# KiCad board final-memory.kicad_pcb (continued)
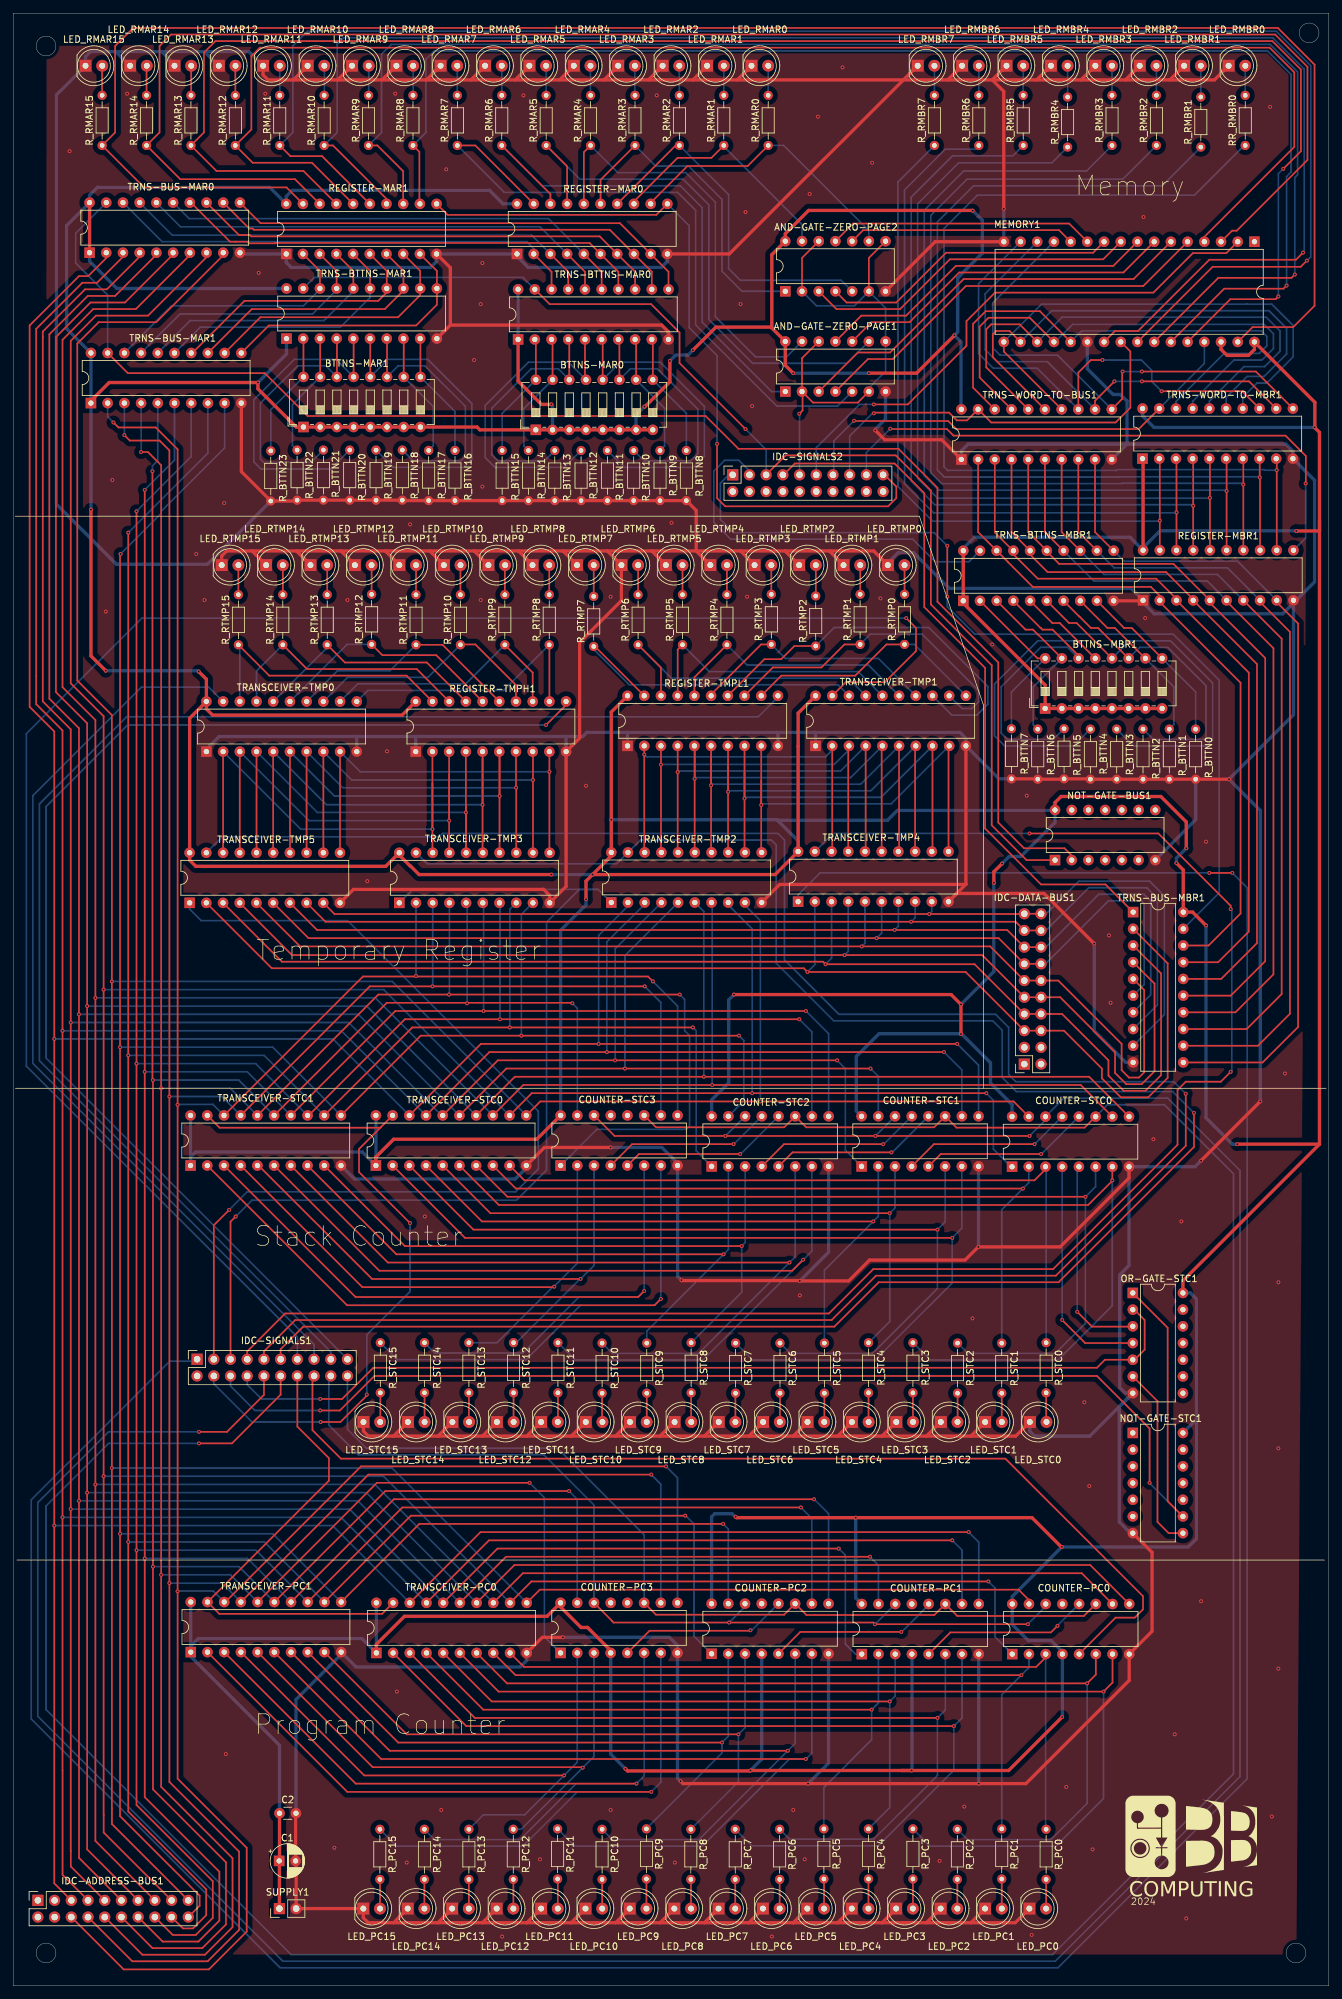
[diagram p0: board, top side]
## Routing (per net, layer and track width the routed paths; a pad name or vN(x,y) marks a point on that pad's centre or on a via; arc(x,y) is an arc through that point) (continued)
RMAR15: length 286.5
  Top w0.25: REGISTER-MAR1.19 41.55,273.5 19.91,273.5 R_RMAR15.1 15.5,281.86 15.5,295 18.25,297.75 192.25,297.75 197.83,292.17 197.83,255.5 194.58,252.25 188.4,252.25 MEMORY1.31
RMBR0: length 152.1
  Top w0.25: TRNS-WORD-TO-MBR1.9 192.08,232.17 v1(192.08,230.5) REGISTER-MBR1.12
  Bottom w0.25: v1(192.08,230.5) 190.23,230.5 190.15,230.57 167.81,230.57 167.69,230.45 142.05,230.45 141.5,231 141.5,267.25 146.55,272.3 179.55,272.3 186.84,279.59 187,279.59 RR_RMBR0.1
RMBR1: length 146
  Top w0.25: REGISTER-MBR1.13 189.54,229.35 v1(189.49,229.4) 189.49,232.22 TRNS-WORD-TO-MBR1.8
  Bottom w0.25: R_RMBR1.1 174.66,273.75 146,273.75 140.5,268.25 140.5,230.5 141.55,229.45 168.11,229.45 168.15,229.5 189.39,229.5 v1(189.49,229.4)
RMBR2: length 140.1
  Top w0.25: TRNS-WORD-TO-MBR1.7 187,232.17 v1(187,228.32) REGISTER-MBR1.14
  Bottom w0.25: R_RMBR2.1 168.66,274.75 145,274.75 139.5,269.25 139.5,230.09 141.13,228.45 168.52,228.45 168.57,228.5 186.82,228.5 v1(187,228.32)
RMBR3: length 133.9
  Top w0.25: REGISTER-MBR1.15 v1(184.46,227.32) 184.46,232.17 TRNS-WORD-TO-MBR1.6
  Bottom w0.25: R_RMBR3.1 163.16,276 144.5,276 138.5,270 138.5,229.67 140.72,227.45 184.33,227.45 v1(184.46,227.32)
RMBR4: length 127.7
  Top w0.25: TRNS-WORD-TO-MBR1.5 181.92,232.17 v1(181.92,226.28) REGISTER-MBR1.16
  Bottom w0.25: v1(181.92,226.28) 181.89,226.25 140.51,226.25 137.5,229.26 137.5,271 143.75,277.25 157.91,277.25 R_RMBR4.1
RMBR5: length 121.9
  Top w0.25: TRNS-WORD-TO-MBR1.4 179.38,232.17 v1(179.38,225.07) REGISTER-MBR1.17
  Bottom w0.25: v1(179.38,225.07) 179.21,225.25 140.09,225.25 136.5,228.84 136.5,272 142.81,278.31 151.97,278.31 R_RMBR5.1
RMBR6: length 115.9
  Top w0.25: REGISTER-MBR1.18 v1(176.84,224.07) 176.84,232.17 TRNS-WORD-TO-MBR1.3
  Bottom w0.25: v1(176.84,224.07) 176.77,224 139.93,224 135.5,228.43 135.5,273.11 141.69,279.31 146.22,279.31 R_RMBR6.1
RMBR7: length 110.1
  Top w0.25: TRNS-WORD-TO-MBR1.2 174.3,232.17 v1(174.3,222.82) REGISTER-MBR1.19
  Bottom w0.25: v1(174.3,222.82) 174.22,222.75 139.76,222.75 134.5,228.01 134.5,274.34 R_RMBR7.1
RTMP0: length 37.6
  Top w0.25: REGISTER-TMPL1.12 116.78,199.25 128,199.25 132.75,204 R_RTMP0.1
  Bottom w0.25: TRANSCEIVER-TMP1.11 137.02,204 R_RTMP0.1
RTMP1: length 50.4
  Top w0.25: R_RTMP1.1 126.38,204 122.88,200.5 115.49,200.5 REGISTER-TMPL1.13
  Bottom w0.25: R_RTMP1.1 130.32,205.57 138.18,205.57 146.75,197 146.75,195.25 145.75,194.25 144.23,194.25 TRANSCEIVER-TMP1.12
RTMP2: length 60.6
  Top w0.25: R_RTMP2.1 118.75,203.75 116.75,201.75 114.19,201.75 REGISTER-TMPL1.14
  Bottom w0.25: R_RTMP2.1 124.82,206.57 139.18,206.57 148.17,197.58 148.17,194.92 146.5,193.25 142.69,193.25 TRANSCEIVER-TMP1.13
RTMP3: length 37.7
  Top w0.25: R_RTMP3.1 113.7,204 106.09,196.39 REGISTER-TMPL1.15
  Bottom w0.25: TRANSCEIVER-TMP1.14 131.53,201.87 117.38,201.87 R_RTMP3.1
RTMP4: length 39.2
  Top w0.25: R_RTMP4.1 103.56,199 REGISTER-TMPL1.16
  Bottom w0.25: R_RTMP4.1 111.57,200.87 130,200.87 TRANSCEIVER-TMP1.15
RTMP5: length 41.6
  Top w0.25: R_RTMP5.1 101.02,203.21 REGISTER-TMPL1.17
  Bottom w0.25: R_RTMP5.1 105.82,199.87 128.46,199.87 TRANSCEIVER-TMP1.16
RTMP6: length 47
  Top w0.25: REGISTER-TMPL1.18 98.47,200.47 R_RTMP6.1
  Bottom w0.25: R_RTMP6.1 100.07,198.87 126.91,198.87 TRANSCEIVER-TMP1.17
RTMP7: length 53.3
  Top w0.25: REGISTER-TMPL1.19 88.44,203.69 R_RTMP7.1 88.58,203.69
  Bottom w0.25: R_RTMP7.1 88.25,203.25 93.63,197.87 125.38,197.87 TRANSCEIVER-TMP1.18
RTMP8: length 41.5
  Top w0.25: REGISTER-TMPH1.12 81.52,203.91 R_RTMP8.1
  Bottom w0.25: R_RTMP8.1 74.55,197 53.91,197 TRANSCEIVER-TMP0.11
RTMP9: length 39
  Top w0.25: R_RTMP9.1 78.97,199.71 REGISTER-TMPH1.13
  Bottom w0.25: TRANSCEIVER-TMP0.12 52.37,198 68.8,198 R_RTMP9.1
RTMP10: length 37.9
  Top w0.25: R_RTMP10.1 68.05,204 70.25,204 76.44,197.81 REGISTER-TMPH1.14
  Bottom w0.25: R_RTMP10.1 63.05,199 50.83,199 TRANSCEIVER-TMP0.13
RTMP11: length 36.4
  Top w0.25: REGISTER-TMPH1.15 65.28,203.94 R_RTMP11.1
  Bottom w0.25: TRANSCEIVER-TMP0.14 49.29,200 57.3,200 R_RTMP11.1
RTMP12: length 36.5
  Top w0.25: R_RTMP12.1 56.12,202.37 64.31,202.37 REGISTER-TMPH1.16
  Bottom w0.25: R_RTMP12.1 50.75,204 TRANSCEIVER-TMP0.15
RTMP13: length 36.7
  Top w0.25: REGISTER-TMPH1.17 62.89,201.25 50.43,201.25 R_RTMP13.1
  Bottom w0.25: TRANSCEIVER-TMP0.16 47.74,203.53 R_RTMP13.1
RTMP14: length 39.1
  Top w0.25: REGISTER-TMPH1.18 61.34,200.25 44.68,200.25 R_RTMP14.1
  Bottom w0.25: R_RTMP14.1 37,199.94 TRANSCEIVER-TMP0.17
RTMP15: length 41.8
  Top w0.25: REGISTER-TMPH1.19 59.81,199.25 38.93,199.25 R_RTMP15.1
  Bottom w0.25: TRANSCEIVER-TMP0.18 34.45,203.72 R_RTMP15.1
STC0: length 110.3
  Top w0.25: TRANSCEIVER-STC0.9 77.71,122.5 155.25,122.5 156.93,124.18 COUNTER-STC0.3
  Bottom w0.25: COUNTER-STC0.3 157.03,124.47 R_STC0.1
STC1: length 110.6
  Top w0.25: TRANSCEIVER-STC0.8 76.42,121.25 v1(153.5,121.25)
  Bottom w0.25: COUNTER-STC0.2 154.38,122.13 v1(153.5,121.25) 150.28,118.03 R_STC1.1
STC2: length 141
  Top w0.25: TRANSCEIVER-STC0.7 75.13,120 v1(163,120)
  Bottom w0.25: COUNTER-STC0.6 164.55,121.54 v1(163,120) 163,100.75 158.43,96.18 145.14,96.18 R_STC2.1
STC3: length 159.3
  Top w0.25: TRANSCEIVER-STC0.6 73.84,118.75 163.41,118.75 167.08,122.42 v1(167.08,122.5) 167.09,122.51 COUNTER-STC0.7
  Bottom w0.25: v1(167.08,122.5) 167.08,103.41 158.84,95.18 139.41,95.18 R_STC3.1
STC4: length 99.4
  Top w0.25: v1(133.25,117.5) 72.55,117.5 TRANSCEIVER-STC0.5
  Bottom w0.25: COUNTER-STC1.3 134.05,118.3 v1(133.25,117.5) 133.25,101.03 R_STC4.1
STC5: length 101.8
  Top w0.25: TRANSCEIVER-STC0.4 71.26,116.25 v1(130.75,116.25)
  Bottom w0.25: COUNTER-STC1.2 131.51,117.01 v1(130.75,116.25) 123.31,108.81 R_STC5.1
STC6: length 132
  Top w0.25: TRANSCEIVER-STC0.3 69.97,115 v1(140.5,115)
  Bottom w0.25: COUNTER-STC1.6 141.67,116.17 v1(140.5,115) 140.5,106.06 130.62,96.18 118.14,96.18 R_STC6.1
STC7: length 146.8
  Top w0.25: v1(142.75,113.75) 68.68,113.75 TRANSCEIVER-STC0.2
  Bottom w0.25: R_STC7.1 112.39,95.18 131.03,95.18 142.75,106.89 v1(142.75,113.75) 144.21,115.21 COUNTER-STC1.7
STC8: length 98.7
  Top w0.25: TRANSCEIVER-STC1.9 59.54,112.5 v1(110.75,112.5)
  Bottom w0.25: R_STC8.1 110.75,105.5 v1(110.75,112.5) 111.26,113.01 COUNTER-STC2.3
STC9: length 100.9
  Top w0.25: TRANSCEIVER-STC1.8 58.25,111.25 v1(108,111.25)
  Bottom w0.25: COUNTER-STC2.2 108.72,111.97 v1(108,111.25) 96.31,99.56 R_STC9.1
STC10: length 131.7
  Top w0.25: TRANSCEIVER-STC1.7 56.96,110 v1(118,110)
  Bottom w0.25: R_STC10.1 91.1,96.18 104.18,96.18 v1(118,110) 118.88,110.88 COUNTER-STC2.6
STC11: length 147.2
  Top w0.25: TRANSCEIVER-STC1.6 55.67,108.75 118.41,108.75 v1(120.08,110.42)
  Bottom w0.25: R_STC11.1 85.45,95.18 104.84,95.18 v1(120.08,110.42) 121.42,111.76 COUNTER-STC2.7
STC12: length 88.6
  Top w0.25: TRANSCEIVER-STC1.5 37.3,124.75 54.55,107.5 v1(86.25,107.5)
  Bottom w0.25: COUNTER-STC3.3 88.3,109.55 v1(86.25,107.5) 86.16,107.5 76.47,97.81 R_STC12.1
STC13: length 91.7
  Top w0.25: TRANSCEIVER-STC1.4 53.09,106.25 82.18,106.25 v1(82.25,106.32)
  Bottom w0.25: COUNTER-STC3.2 85.76,109.88 82.25,106.38 v1(82.25,106.32) 82.07,106.32 73.56,97.81 R_STC13.1
STC14: length 129.6
  Top w0.25: TRANSCEIVER-STC1.3 52.05,104.75 95,104.75 v1(95.92,105.67)
  Bottom w0.25: COUNTER-STC3.6 v1(95.92,105.67) 95,104.75 86,104.75 77.48,96.24 64.1,96.24 R_STC14.1
STC15: length 146
  Top w0.25: v1(98.46,104.46) 97.5,103.5 50.76,103.5 TRANSCEIVER-STC1.2
  Bottom w0.25: COUNTER-STC3.7 v1(98.46,104.46) 97.5,103.5 86.25,103.5 77.98,95.24 58.39,95.24 R_STC15.1
STC_MODE: length 200.6
  Top w0.25: OR-GATE-STC1.1 175.5,100.07 175.5,73.7 NOT-GATE-STC1.9 ; 172.75,76.75 172.75,84.75 164.75,92.75 54.91,92.75 49.66,87.5 v1(46.67,87.5)
  Bottom w0.25: NOT-GATE-STC1.9 172.75,76.45 v1(172.75,76.5) ; IDC-SIGNALS1.6 33.04,91.21 36.75,87.5 v1(46.67,87.5)
STC_RST: length 493.7
  Top w0.25: v1(28.25,84.25) 32.5,84.25 38.12,89.87 IDC-SIGNALS1.10 ; v1(154.5,129.25) 91.42,129.25 COUNTER-STC3.14
  Bottom w0.25: v1(131.06,129.25) COUNTER-STC1.14 ; v1(108.25,129.25) 108.27,129.25 COUNTER-STC2.14 ; v1(154.5,129.25) 156.93,131.68 COUNTER-STC0.14 159.74,135 175.5,135 186.5,124 186.5,31.84 158.41,3.75 41,3.75 3.75,41 3.75,73.5 14.5,84.25 v1(28.25,84.25)
STC_TICK: length 148.7
  Top w0.25: v1(46.67,89.25) 50,89.25 54.75,94 164.75,94 165.97,95.22 OR-GATE-STC1.5 170.47,95.22 172,96.75 172,101.25 170.41,102.84 OR-GATE-STC1.2
  Bottom w0.25: v1(46.67,89.25) 37.75,89.25 35.58,91.42 IDC-SIGNALS1.8
WORD0: length 76.6
  Top w0.25: v1(168.65,245.5) 168.58,245.43 168.58,241.33 TRNS-WORD-TO-BUS1.11 ; TRNS-WORD-TO-MBR1.11 188.91,245.5 v1(171.58,245.5)
  Bottom w0.25: TRNS-WORD-TO-BUS1.11 158.75,248 150,248 148.91,249.08 148.91,255.94 MEMORY1.13 ; v1(171.58,245.5) v1(168.65,245.5)
WORD1: length 71.9
  Top w0.25: v1(167.4,244) 164.46,241.06 TRNS-WORD-TO-BUS1.12 ; TRNS-WORD-TO-MBR1.12 187.87,244 v1(171.58,244)
  Bottom w0.25: MEMORY1.14 147.75,257.32 147.75,248.84 149.59,247 157.21,247 TRNS-WORD-TO-BUS1.12 ; v1(171.58,244) v1(167.4,244)
WORD2: length 76.3
  Top w0.25: v1(174.58,242.5) 186.83,242.5 TRNS-WORD-TO-MBR1.13 ; v1(165.58,247.25) 163.83,247.25 161.92,245.34 TRNS-WORD-TO-BUS1.13
  Bottom w0.25: v1(165.58,247.25) 171.49,247.25 173.08,245.66 173.08,244 v1(174.58,242.5) ; MEMORY1.15 146.75,258.86 146.75,248.25 149,246 155.67,246 TRNS-WORD-TO-BUS1.13
WORD3: length 78.3
  Top w0.25: TRNS-WORD-TO-BUS1.14 150.59,248.54 MEMORY1.17
  Bottom w0.25: TRNS-WORD-TO-MBR1.14 186.92,241.59 189.08,243.75 190.57,243.75 194.58,247.76 194.58,252.49 191.32,255.75 187.58,255.75 156.34,255.75 MEMORY1.17
WORD4: length 80.9
  Top w0.25: TRNS-WORD-TO-BUS1.15 148.91,247.68 148.91,251.17 149.43,251.68 151.46,251.68 MEMORY1.18
  Bottom w0.25: TRNS-WORD-TO-MBR1.15 184.38,241.55 187.58,244.75 190.16,244.75 193.58,248.17 193.58,252.08 190.91,254.75 157.88,254.75 MEMORY1.18
WORD5: length 81.4
  Top w0.25: MEMORY1.19 153,252.68 148.68,252.68 147.91,251.92 147.91,246.13 TRNS-WORD-TO-BUS1.16
  Bottom w0.25: MEMORY1.19 159.42,253.75 190.49,253.75 192.58,251.66 192.58,248.59 190.24,246.25 187.09,246.25 181.84,241 TRNS-WORD-TO-MBR1.16
WORD6: length 82
  Top w0.25: TRNS-WORD-TO-BUS1.17 146.91,244.59 146.91,252.33 148.26,253.68 154.53,253.68 MEMORY1.20
  Bottom w0.25: TRNS-WORD-TO-MBR1.17 179.3,240.97 185.58,247.25 189.83,247.25 191.58,249 191.58,251.25 190.15,252.68 161.06,252.68 158.38,250 MEMORY1.20
WORD7: length 82.6
  Top w0.25: MEMORY1.21 156.07,254.68 147.85,254.68 145.91,252.74 145.91,243.06 TRNS-WORD-TO-BUS1.18
  Bottom w0.25: MEMORY1.21 162.43,251.68 189.74,251.68 190.58,250.84 190.58,249.41 189.41,248.25 184.08,248.25 176.76,240.93 TRNS-WORD-TO-MBR1.18
~{MEM_IN}: length 70.7
  Top w0.25: TRNS-WORD-TO-MBR1.19 171.1,236.75 143.36,236.75 142.13,237.97 127.85,237.97 v1(127.82,238.01)
  Bottom w0.25: v1(127.82,238.01) 124.75,234.94 124.75,229.92 IDC-SIGNALS2.13 ; MEMORY1.29 181.07,246.72 TRNS-WORD-TO-MBR1.19
~{MEM_OUT}: length 63.6
  Top w0.25: MEMORY1.24 169.83,248.54 169.83,240 167.58,237.75 148.68,237.75 TRNS-WORD-TO-BUS1.19 145,238.07 143.45,238.07 142.27,239.25 130.93,239.25 v1(130.83,239.15)
  Bottom w0.25: IDC-SIGNALS2.15 127.16,235.68 130.63,239.15 v1(130.83,239.15)
~{PC_LOAD}: length 143.2
  Top w0.25: COUNTER-PC0.11 162.75,56.25 143.52,56.25 COUNTER-PC1.11 140.03,56.39 120.59,56.39 COUNTER-PC2.11 117.19,56.44 97.72,56.44 COUNTER-PC3.11
  Bottom w0.25: IDC-SIGNALS1.20 50.82,84.63 53.7,81.75 82.75,81.75 95.91,68.59 COUNTER-PC3.11
~{PC_OUT}: length 73.7
  Top w0.25: TRANSCEIVER-PC0.19 56.08,56.57 31.34,56.57 TRANSCEIVER-PC1.19 48,76.83 48,80.25 43.2,85.05 IDC-SIGNALS1.14
~{REG_MAR_USE_BTTNS}: length 183.5
  Top w0.25: v1(111.33,236.75) 101.3,246.78 101.3,251.43 96.97,255.75 81.55,255.75 TRNS-BTTNS-MAR0.19 ; NOT-GATE-BUS1.1 154.05,171.2 148.75,176.5 148.75,200.84 139.5,210.09 139.5,227.41 134.16,232.75 117.42,232.75 IDC-SIGNALS2.5
  Bottom w0.25: TRNS-BTTNS-MAR0.19 77.5,259.81 45.77,259.81 TRNS-BTTNS-MAR1.19 ; v1(111.33,236.75) 114.46,233.62 IDC-SIGNALS2.5
~{REG_MBR_USE_BTTNS}: length 58.8
  Bottom w0.25: IDC-SIGNALS2.3 111.92,230.39 110.31,232 108.14,232 106.5,230.36 106.5,222.59 109.09,220 136.75,220 140.18,216.57 145.3,216.57 TRNS-BTTNS-MBR1.19
~{REG_MBR_USE_BUS}: length 139.4
  Top w0.25: v1(142,219) v1(142,211.25)
  Bottom w0.25: v1(142,219) 140,221 109.5,221 107.5,223 107.5,228.5 108.79,229.79 IDC-SIGNALS2.1 ; TRNS-BUS-MBR1.19 183.32,166.21 183.32,198.56 176.33,205.56 162.23,205.56 162.23,205.56 146.19,205.56 142,209.75 v1(142,211.25)
~{REG_TMP_PASS_ADDRESS}: length 310.7
  Top w0.25: IDC-SIGNALS1.11 40.66,96.82 44.09,100.25 124.83,100.25 131.58,107 158.91,107 179.5,127.59 v1(179.5,132.75)
  Bottom w0.25: TRANSCEIVER-TMP3.19 62.91,170.65 91.74,170.65 TRANSCEIVER-TMP2.19 95.34,174.25 115.25,174.25 116,173.5 116,155.5 124.75,146.75 148.91,146.75 150.33,145.34 150.33,138.17 152.5,136 176.25,136 v1(179.5,132.75)
~{REG_TMPH_OUT}: length 140.1
  Bottom w0.25: TRANSCEIVER-TMP0.19 29.73,197.5 19.5,197.5 3,181 3,140.28 45.74,97.54 IDC-SIGNALS1.15
~{REG_TMPH_PASS_DATA}: length 343.6
  Top w0.25: v1(178.25,135.66) 178.25,127.75 158.5,108 131.16,108 124.41,101.25 42.88,101.25 38.12,96.49 IDC-SIGNALS1.9
  Bottom w0.25: TRANSCEIVER-TMP5.19 31.78,174.74 64.73,174.74 65.25,175.25 116.25,175.25 117.25,174.25 117.25,156.03 125.53,147.75 149.33,147.75 151.33,145.75 151.33,138.59 152.41,137.5 176.41,137.5 v1(178.25,135.66)
~{REG_TMPL_OUT}: length 274.4
  Top w0.25: TRANSCEIVER-TMP1.19 126.57,198.25 132.5,198.25 137.25,203 137.25,206.5 v1(135.75,208)
  Bottom w0.25: v1(135.75,208) 19.58,208 2,190.42 2,139.87 43.2,98.67 IDC-SIGNALS1.13
~{REG_TMPL_PASS_DATA}: length 267.5
  Top w0.25: v1(154.5,175.25) 174.08,175.25 185.08,164.25 v1(185.08,163.75) ; IDC-SIGNALS1.7 35.58,96.49 41.34,102.25 124,102.25 130.75,109 158.09,109 177,127.91 177,136.25 178.25,137.5 183.58,137.5 v1(185.08,139)
  Bottom w0.25: v1(185.08,139) 185.25,139.17 185.25,163.58 v1(185.08,163.75) ; v1(154.5,175.25) 124.62,175.25 TRANSCEIVER-TMP4.19
~{STC_LOAD}: length 474
  Top w0.25: v1(28.25,82.5) 33.25,82.5 40.66,89.91 IDC-SIGNALS1.12 ; COUNTER-STC3.11 97.72,130.56 117.21,130.56 COUNTER-STC2.11 120.56,130.56 140,130.56 COUNTER-STC1.11 143.4,130.51 162.87,130.51 COUNTER-STC0.11
  Bottom w0.25: COUNTER-STC0.11 166.35,134 175,134 185.5,123.5 185.5,32.25 158,4.75 42.25,4.75 5,42 5,73 14.5,82.5 v1(28.25,82.5)
~{STC_OUT}: length 106.4
  Top w0.25: TRANSCEIVER-STC0.19 55.94,130.63 ; 55.94,130.63 52.58,127.27 52.58,123.75 v1(60.33,116) ; 55.94,130.63 55.81,130.5 31.38,130.5 TRANSCEIVER-STC1.19 ; v1(46.75,85.75) 49.75,85.75 53.75,89.75 v1(53.75,89.92)
  Bottom w0.25: v1(60.33,116) 60.33,105.58 53.75,99 v1(53.75,89.92) ; IDC-SIGNALS1.4 30.5,91.55 36.3,85.75 v1(46.75,85.75)
~{ZERO_PAGE}: length 79.8
  Top w0.25: AND-GATE-ZERO-PAGE2.6 130.07,262.78 AND-GATE-ZERO-PAGE2.8 ; AND-GATE-ZERO-PAGE1.2 119.91,247.53 AND-GATE-ZERO-PAGE1.12 ; AND-GATE-ZERO-PAGE1.2 121.59,240.78 128.4,240.78 AND-GATE-ZERO-PAGE1.6 ; AND-GATE-ZERO-PAGE1.2 120,242.37 120,239.57 v1(119.5,239.07) ; AND-GATE-ZERO-PAGE2.12 119.91,262.78 AND-GATE-ZERO-PAGE2.2
  Bottom w0.25: AND-GATE-ZERO-PAGE1.6 130.07,243 132.62,245.54 AND-GATE-ZERO-PAGE1.8 132.62,255.16 AND-GATE-ZERO-PAGE2.6 127.88,255.5 122.12,255.5 AND-GATE-ZERO-PAGE2.2 ; v1(119.5,239.07) 119.54,239.03 IDC-SIGNALS2.9
Net-(AND-GATE-ZERO-PAGE1-J=A.B): length 63
  Top w0.25: AND-GATE-ZERO-PAGE1.3 128.4,248.39 133.31,248.39 144.48,259.56 170.31,259.56 MEMORY1.6
Net-(AND-GATE-ZERO-PAGE1-K=C.D): length 63
  Top w0.25: AND-GATE-ZERO-PAGE1.4 129.94,247.39 133.72,247.39 144.83,258.5 171.79,258.5 MEMORY1.5
Net-(AND-GATE-ZERO-PAGE1-L=E.F): length 52.2
  Top w0.25: MEMORY1.7 168.78,260.56 143.81,260.56 136.25,253 130.47,253 AND-GATE-ZERO-PAGE1.10
Net-(AND-GATE-ZERO-PAGE1-M=G.H): length 52.2
  Top w0.25: AND-GATE-ZERO-PAGE1.11 128.93,254 135.75,254 143.31,261.56 167.24,261.56 MEMORY1.8
Net-(AND-GATE-ZERO-PAGE2-J=A.B): length 51.3
  Top w0.25: AND-GATE-ZERO-PAGE2.3 125.16,255 134.83,255 142.4,262.56 165.69,262.56 MEMORY1.9
Net-(AND-GATE-ZERO-PAGE2-K=C.D): length 45.4
  Top w0.25: AND-GATE-ZERO-PAGE2.4 126.69,256 134.25,256 141.81,263.56 164.16,263.56 MEMORY1.10
Net-(AND-GATE-ZERO-PAGE2-L=E.F): length 34.6
  Top w0.25: MEMORY1.12 159,267 129.21,267 AND-GATE-ZERO-PAGE2.10
Net-(AND-GATE-ZERO-PAGE2-M=G.H): length 40.5
  Top w0.25: MEMORY1.11 160.53,268 127.68,268 AND-GATE-ZERO-PAGE2.11
Net-(COUNTER-PC0-TCU): length 26.1
  Top w0.25: COUNTER-PC1.5 142.46,53.75 157.75,53.75 v1(158.75,54.75)
  Bottom w0.25: v1(158.75,54.75) 158.75,54.79 COUNTER-PC0.12
Net-(COUNTER-PC1-TCU): length 26.1
  Top w0.25: COUNTER-PC2.5 119.66,53.82 v1(135,53.82)
  Bottom w0.25: COUNTER-PC1.12 139.16,57.91 135.07,53.82 v1(135,53.82)
Net-(COUNTER-PC2-TCU): length 26.1
  Top w0.25: v1(112.08,54.07) 112,54 96.74,54 COUNTER-PC3.5
  Bottom w0.25: COUNTER-PC2.12 112.28,54.07 v1(112.08,54.07)
Net-(COUNTER-STC0-CPD): length 35.5
  Top w0.25: OR-GATE-STC1.4 170.19,97.75 162.97,97.75 v1(159.47,101.25)
  Bottom w0.25: v1(159.47,101.25) COUNTER-STC0.4
Net-(COUNTER-STC0-CPU): length 31.6
  Top w0.25: v1(161.75,102.5) 164,100.25 170.16,100.25 OR-GATE-STC1.3
  Bottom w0.25: COUNTER-STC0.5 161.75,124.31 v1(161.75,102.5)
Net-(COUNTER-STC0-TCD): length 26
  Top w0.25: COUNTER-STC1.4 139.97,128 v1(155.25,128)
  Bottom w0.25: v1(155.25,128) 155.28,128 COUNTER-STC0.13
Net-(COUNTER-STC0-TCU): length 26
  Top w0.25: v1(156.25,126.5) 141.01,126.5 COUNTER-STC1.5
  Bottom w0.25: COUNTER-STC0.12 156.31,126.5 v1(156.25,126.5)
Net-(COUNTER-STC1-TCD): length 25.9
  Top w0.25: v1(132.25,128) 117.18,128 COUNTER-STC2.4
  Bottom w0.25: COUNTER-STC1.13 132.35,128 v1(132.25,128)
Net-(COUNTER-STC1-TCU): length 25.9
  Top w0.25: v1(133.5,126.75) 118.47,126.75 COUNTER-STC2.5
  Bottom w0.25: COUNTER-STC1.12 133.64,126.75 v1(133.5,126.75)
Net-(COUNTER-STC2-TCD): length 26.1
  Top w0.25: COUNTER-STC3.4 94.09,128 109.49,128 v1(109.5,128.01)
  Bottom w0.25: COUNTER-STC2.13 109.57,128.01 v1(109.5,128.01)
Net-(COUNTER-STC2-TCU): length 26.1
  Top w0.25: COUNTER-STC3.5 95.13,126.5 v1(110.5,126.5)
  Bottom w0.25: COUNTER-STC2.12 110.6,126.5 v1(110.5,126.5)
Net-(LED_PC0-A): length 4.4
  Top w0.25: LED_PC0.2 157.03,11.76 R_PC0.2
Net-(LED_PC1-A): length 4.5
  Top w0.25: LED_PC1.2 150.28,12.22 150.28,12.23 R_PC1.2
Net-(LED_PC2-A): length 4.4
  Top w0.25: LED_PC2.2 143.53,16.19 R_PC2.2
Net-(LED_PC3-A): length 4.5
  Top w0.25: R_PC3.2 136.78,11.76 LED_PC3.2
Net-(LED_PC4-A): length 4.5
  Top w0.25: R_PC4.2 LED_PC4.2
Net-(LED_PC5-A): length 4.5
  Top w0.25: R_PC5.2 123.27,16.23 LED_PC5.2
Net-(LED_PC6-A): length 4.4
  Top w0.25: R_PC6.2 LED_PC6.2
Net-(LED_PC7-A): length 4.4
  Top w0.25: R_PC7.2 LED_PC7.2
Net-(LED_PC8-A): length 4.5
  Top w0.25: LED_PC8.2 103.04,16.17 R_PC8.2
Net-(LED_PC9-A): length 4.5
  Top w0.25: LED_PC9.2 R_PC9.2
Net-(LED_PC10-A): length 4.4
  Top w0.25: R_PC10.2 89.54,16.18 LED_PC10.2
Net-(LED_PC11-A): length 4.5
  Top w0.25: R_PC11.2 82.79,16.23 LED_PC11.2
Net-(LED_PC12-A): length 4.4
  Top w0.25: R_PC12.2 76.04,16.18 LED_PC12.2
Net-(LED_PC13-A): length 4.4
  Top w0.25: R_PC13.2 69.27,16.18 LED_PC13.2
Net-(LED_PC14-A): length 4.4
  Top w0.25: LED_PC14.2 R_PC14.2
Net-(LED_PC15-A): length 4.5
  Top w0.25: LED_PC15.2 55.77,16.17 R_PC15.2
Net-(LED_RMAR0-A): length 4.5
  Bottom w0.25: LED_RMAR0.2 R_RMAR0.2
Net-(LED_RMAR1-A): length 4.5
  Bottom w0.25: LED_RMAR1.2 R_RMAR1.2
Net-(LED_RMAR2-A): length 4.5
  Bottom w0.25: R_RMAR2.2 101.26,287.51 LED_RMAR2.2
Net-(LED_RMAR3-A): length 4.5
  Bottom w0.25: LED_RMAR3.2 94.51,287.51 R_RMAR3.2
Net-(LED_RMAR4-A): length 4.5
  Bottom w0.25: LED_RMAR4.2 87.76,287.51 R_RMAR4.2
Net-(LED_RMAR5-A): length 4.5
  Bottom w0.25: LED_RMAR5.2 81.01,287.51 R_RMAR5.2
Net-(LED_RMAR6-A): length 4.5
  Bottom w0.25: LED_RMAR6.2 R_RMAR6.2
Net-(LED_RMAR7-A): length 4.5
  Bottom w0.25: LED_RMAR7.2 67.51,287.51 R_RMAR7.2
Net-(LED_RMAR8-A): length 4.5
  Bottom w0.25: LED_RMAR8.2 60.8,287.52 R_RMAR8.2
Net-(LED_RMAR9-A): length 4.5
  Bottom w0.25: R_RMAR9.2 54.05,287.52 LED_RMAR9.2
Net-(LED_RMAR10-A): length 4.5
  Bottom w0.25: LED_RMAR10.2 47.3,287.52 R_RMAR10.2
Net-(LED_RMAR11-A): length 4.5
  Bottom w0.25: LED_RMAR11.2 R_RMAR11.2
Net-(LED_RMAR12-A): length 4.5
  Top w0.25: LED_RMAR12.2 33.78,291.98 R_RMAR12.2
Net-(LED_RMAR13-A): length 4.5
  Top w0.25: LED_RMAR13.2 27.06,287.54 R_RMAR13.2
Net-(LED_RMAR14-A): length 4.5
  Top w0.25: R_RMAR14.2 20.28,291.96 LED_RMAR14.2
Net-(LED_RMAR15-A): length 4.5
  Top w0.25: LED_RMAR15.2 13.53,291.99 R_RMAR15.2
Net-(LED_RMBR0-A): length 4.5
  Bottom w0.25: LED_RMBR0.2 187.29,291.99 RR_RMBR0.2
Net-(LED_RMBR1-A): length 4.8
  Bottom w0.25: LED_RMBR1.2 R_RMBR1.2
Net-(LED_RMBR2-A): length 4.5
  Bottom w0.25: LED_RMBR2.2 R_RMBR2.2
Net-(LED_RMBR3-A): length 4.5
  Bottom w0.25: R_RMBR3.2 LED_RMBR3.2
Net-(LED_RMBR4-A): length 4.8
  Bottom w0.25: LED_RMBR4.2 R_RMBR4.2
Net-(LED_RMBR5-A): length 4.5
  Bottom w0.25: R_RMBR5.2 LED_RMBR5.2
Net-(LED_RMBR6-A): length 4.5
  Bottom w0.25: R_RMBR6.2 LED_RMBR6.2
Net-(LED_RMBR7-A): length 4.5
  Bottom w0.25: R_RMBR7.2 LED_RMBR7.2
Net-(LED_RTMP0-A): length 4.4
  Top w0.25: LED_RTMP0.2 R_RTMP0.2
Net-(LED_RTMP1-A): length 4.4
  Top w0.25: LED_RTMP1.2 128.77,211.63 R_RTMP1.2
Net-(LED_RTMP2-A): length 4.7
  Top w0.25: LED_RTMP2.2 122.02,211.38 R_RTMP2.2
Net-(LED_RTMP3-A): length 4.4
  Top w0.25: R_RTMP3.2 LED_RTMP3.2
Net-(LED_RTMP4-A): length 4.5
  Top w0.25: R_RTMP4.2 108.5,216.04 LED_RTMP4.2
Net-(LED_RTMP5-A): length 4.5
  Top w0.25: R_RTMP5.2 LED_RTMP5.2
Net-(LED_RTMP6-A): length 4.5
  Top w0.25: R_RTMP6.2 LED_RTMP6.2
Net-(LED_RTMP7-A): length 4.8
  Top w0.25: R_RTMP7.2 LED_RTMP7.2
Net-(LED_RTMP8-A): length 4.5
  Top w0.25: R_RTMP8.2 LED_RTMP8.2
Net-(LED_RTMP9-A): length 4.5
  Top w0.25: LED_RTMP9.2 74.74,216.02 R_RTMP9.2
Net-(LED_RTMP10-A): length 4.5
  Top w0.25: LED_RTMP10.2 67.99,216.04 R_RTMP10.2
Net-(LED_RTMP11-A): length 4.5
  Top w0.25: LED_RTMP11.2 R_RTMP11.2
Net-(LED_RTMP12-A): length 4.4
  Top w0.25: R_RTMP12.2 LED_RTMP12.2
Net-(LED_RTMP13-A): length 4.5
  Top w0.25: R_RTMP13.2 LED_RTMP13.2
Net-(LED_RTMP14-A): length 4.5
  Top w0.25: R_RTMP14.2 LED_RTMP14.2
Net-(LED_RTMP15-A): length 4.5
  Top w0.25: R_RTMP15.2 LED_RTMP15.2
Net-(LED_STC0-A): length 4.5
  Top w0.25: R_STC0.2 157.03,85.81 LED_STC0.2
Net-(LED_STC1-A): length 4.4
  Top w0.25: LED_STC1.2 150.28,85.76 R_STC1.2
Net-(LED_STC2-A): length 4.4
  Top w0.25: R_STC2.2 143.56,85.76 LED_STC2.2
Net-(LED_STC3-A): length 4.4
  Top w0.25: LED_STC3.2 136.78,85.76 R_STC3.2
Net-(LED_STC4-A): length 4.4
  Top w0.25: R_STC4.2 130.03,85.76 LED_STC4.2
Net-(LED_STC5-A): length 4.4
  Top w0.25: R_STC5.2 123.31,85.77 LED_STC5.2
Net-(LED_STC6-A): length 4.4
  Top w0.25: R_STC6.2 116.56,85.77 LED_STC6.2
Net-(LED_STC7-A): length 4.4
  Top w0.25: R_STC7.2 109.79,90.1 LED_STC7.2
Net-(LED_STC8-A): length 4.4
  Top w0.25: R_STC8.2 103.06,85.76 LED_STC8.2
Net-(LED_STC9-A): length 4.4
  Top w0.25: R_STC9.2 96.31,85.76 LED_STC9.2
Net-(LED_STC10-A): length 4.4
  Top w0.25: LED_STC10.2 89.53,85.81 R_STC10.2
Net-(LED_STC11-A): length 4.5
  Top w0.25: R_STC11.2 82.81,85.77 LED_STC11.2
Net-(LED_STC12-A): length 4.4
  Top w0.25: LED_STC12.2 76.06,85.76 R_STC12.2
Net-(LED_STC13-A): length 4.5
  Top w0.25: LED_STC13.2 69.28,85.78 R_STC13.2
Net-(LED_STC14-A): length 4.4
  Top w0.25: R_STC14.2 62.54,90.18 LED_STC14.2
Net-(LED_STC15-A): length 4.5
  Top w0.25: LED_STC15.2 55.81,85.77 R_STC15.2
Net-(NOT-GATE-BUS1-~{1Y}): length 230.9
  Top w0.25: 161,171.81 161,171 ; TRNS-BUS-MAR1.19 17.44,245.25 38.25,245.25 44.77,238.74 105.27,238.74 110.25,233.75 134.58,233.75 140.5,227.83 140.5,210.5 149.75,201.25 149.75,176.91 153.66,173 159.81,173 160.91,171.9 NOT-GATE-BUS1.2
  Bottom w0.25: TRNS-BUS-MAR0.19 9.5,266.53 9.5,262 14.37,257.13 TRNS-BUS-MAR1.19
Net-(NOT-GATE-STC1-~{4Y}): length 28.3
  Top w0.25: NOT-GATE-STC1.8 175.65,68.85 173.95,70.54 173.95,88.92 OR-GATE-STC1.6
Net-(REGISTER-MAR0-1D): length 72.6
  Top w0.25: REGISTER-MAR0.2 81.84,260.67 TRNS-BTTNS-MAR0.18
  Bottom w0.25: TRNS-BUS-MAR0.18 22.64,265.25 78.07,265.25 79.13,264.19 REGISTER-MAR0.2
Net-(REGISTER-MAR0-2D): length 72.2
  Top w0.25: REGISTER-MAR0.3 84.38,260.67 TRNS-BTTNS-MAR0.17
  Bottom w0.25: REGISTER-MAR0.3 78.8,266.25 24.17,266.25 TRNS-BUS-MAR0.17
Net-(REGISTER-MAR0-3D): length 72.2
  Top w0.25: REGISTER-MAR0.4 86.92,260.67 TRNS-BTTNS-MAR0.16
  Bottom w0.25: TRNS-BUS-MAR0.16 25.47,267.5 80.09,267.5 REGISTER-MAR0.4
Net-(REGISTER-MAR0-4D): length 72.2
  Top w0.25: REGISTER-MAR0.5 89.46,260.67 TRNS-BTTNS-MAR0.15
  Bottom w0.25: TRNS-BUS-MAR0.15 26.75,268.75 81.38,268.75 REGISTER-MAR0.5
Net-(REGISTER-MAR0-5D): length 72.2
  Top w0.25: TRNS-BTTNS-MAR0.14 92,260.67 REGISTER-MAR0.6 87.62,265.06 39.84,265.06 39.78,265 35.83,265 35.58,265.25 33.78,265.25 33.78,265.25 32.97,265.25 27.03,271.19 TRNS-BUS-MAR0.14
Net-(REGISTER-MAR0-6D): length 72.2
  Top w0.25: TRNS-BTTNS-MAR0.13 94.54,260.67 REGISTER-MAR0.7 89.16,266.06 36.19,266.06 36,266.25 34.34,266.25 TRNS-BUS-MAR0.13
Net-(REGISTER-MAR0-7D): length 72.2
  Top w0.25: TRNS-BUS-MAR0.12 35.88,267.25 36.41,267.25 36.6,267.06 90.69,267.06 REGISTER-MAR0.8 97.08,260.67 TRNS-BTTNS-MAR0.12
